# Altium PCB INC-IO1616001.PcbDoc (part 1 of 2) (continued)
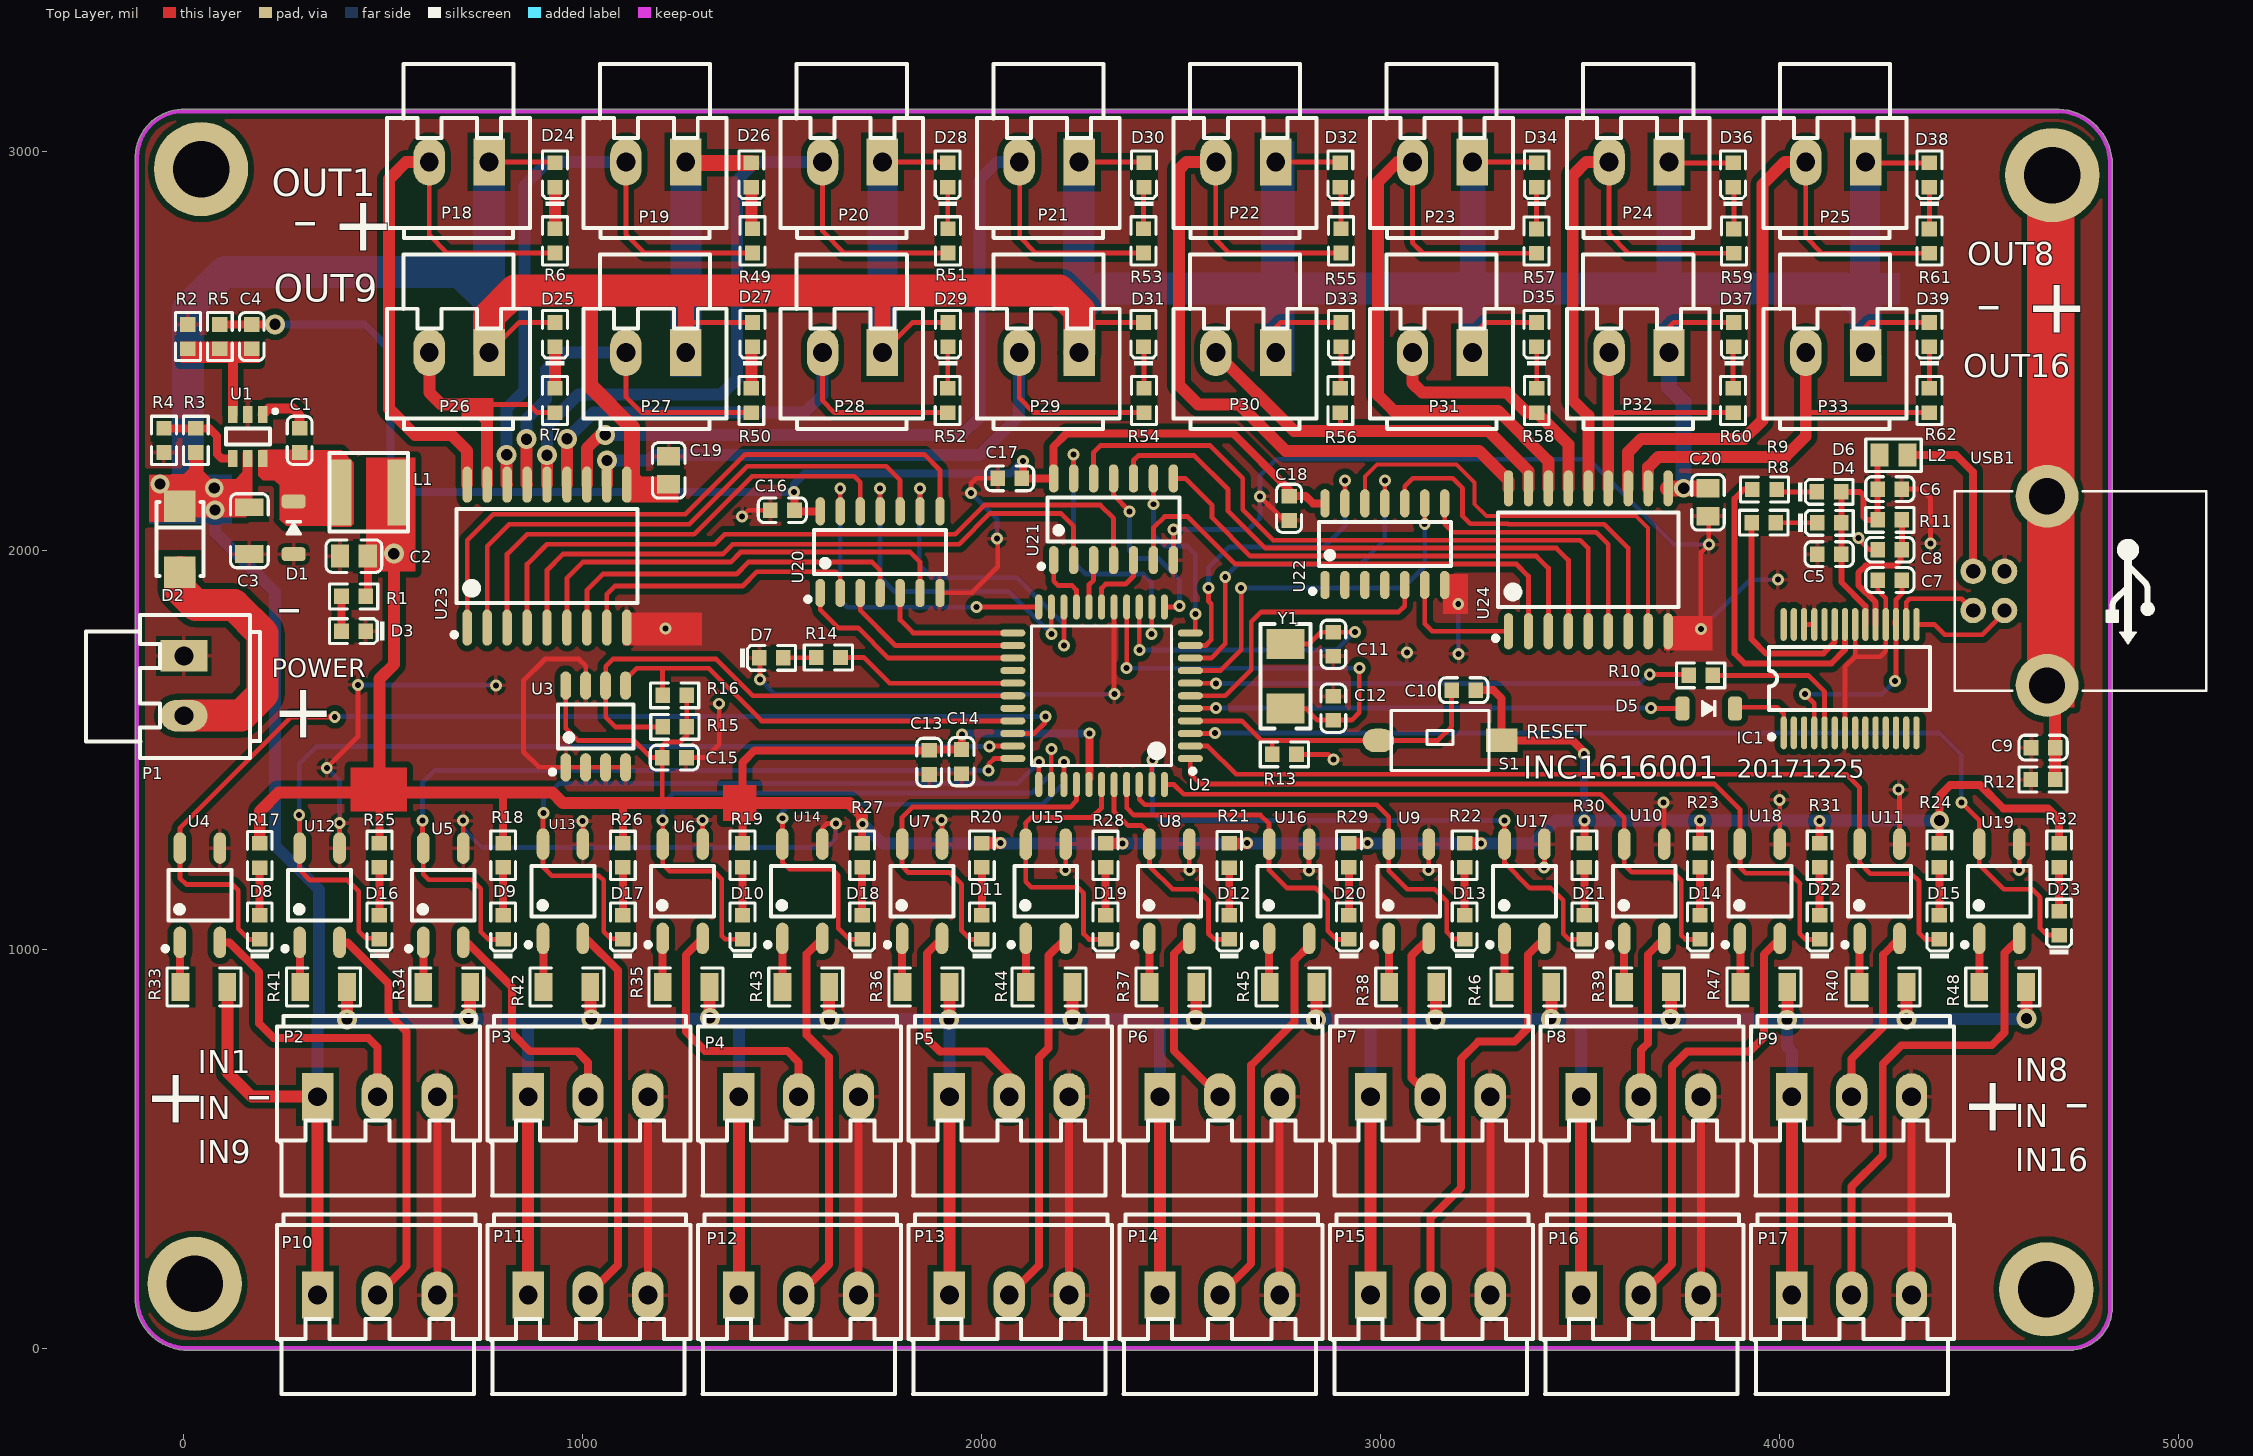
[diagram p0: Top Layer view]
## Components (designator, comment, footprint, x,y, rotation, side; value= is the part's Value field where it differs from the comment) (continued)
R52 "10KΩ (1002) ±1%" 0603_R 1914.29,2375 r90 top
R53 "10KΩ (1002) ±1%" 0603_R 2405,2775 r90 top
R54 "10KΩ (1002) ±1%" 0603_R 2406.43,2375 r90 top
R55 "10KΩ (1002) ±1%" 0603_R 2900,2775 r90 top
R56 "10KΩ (1002) ±1%" 0603_R 2898.57,2375 r90 top
R57 "10KΩ (1002) ±1%" 0603_R 3390,2774.68 r90 top
R58 "10KΩ (1002) ±1%" 0603_R 3390.71,2375 r90 top
R59 "10KΩ (1002) ±1%" 0603_R 3885,2774.68 r90 top
R60 "10KΩ (1002) ±1%" 0603_R 3882.86,2375 r90 top
R61 "10KΩ (1002) ±1%" 0603_R 4375,2774.68 r90 top
R62 "10KΩ (1002) ±1%" 0603_R 4375,2375 r90 top
S1 "SW-PB" "贴片按键 3*6*2.5" 3303,1523 r180 top
U1 "MP2451DT-LF-Z" SOT-23-6 160,2285 r90 top
U2 "STC12C5A60S2-35I" LQFP-44_10x10x08P 2300,1635 r90 top
U3 "EEPROM/AT24C128" SOIC-8_150mil 1032,1558 r0 top
U4 "EL357N(B)(TA)-G" SOP-4_P2.54 40,1135 r90 top
U5 "EL357N(B)(TA)-G" SOP-4_P2.54 650,1135 r90 top
U6 "EL357N(B)(TA)-G" SOP-4_P2.54 1250,1145 r90 top
U7 "EL357N(B)(TA)-G" SOP-4_P2.54 1850,1145 r90 top
U8 "EL357N(B)(TA)-G" SOP-4_P2.54 2470,1145 r90 top
U9 "EL357N(B)(TA)-G" SOP-4_P2.54 3070,1145 r90 top
U10 "EL357N(B)(TA)-G" SOP-4_P2.54 3660,1145 r90 top
U11 "EL357N(B)(TA)-G" SOP-4_P2.54 4250,1145 r90 top
U12 "EL357N(B)(TA)-G" SOP-4_P2.54 340,1135 r90 top
U13 "EL357N(B)(TA)-G" SOP-4_P2.54 950,1145 r90 top
U14 "EL357N(B)(TA)-G" SOP-4_P2.54 1550,1145 r90 top
U15 "EL357N(B)(TA)-G" SOP-4_P2.54 2160,1145 r90 top
U16 "EL357N(B)(TA)-G" SOP-4_P2.54 2770,1145 r90 top
U17 "EL357N(B)(TA)-G" SOP-4_P2.54 3360,1145 r90 top
U18 "EL357N(B)(TA)-G" SOP-4_P2.54 3950,1145 r90 top
U19 "EL357N(B)(TA)-G" SOP-4_P2.54 4550,1145 r90 top
U20 "74HC04" SOIC-14_150mil 1745,1995 r0 top
U21 "74HC04" SOIC-14_150mil 2330,2077.36 r0 top
U22 "74HC04" SOIC-14_150mil 3010,2015 r0 top
U23 "ULN2803ADW" SOIC-18_300mil 910,1985 r0 top
U24 "ULN2803ADW" SOIC-18_300mil 3520,1975.87 r0 top
USB1 "USB-B" USB-b 4484.57,1947.2 r270 top
Y1 "11.0592MHZ 20PF 20PPM" SMD-5032_2P 2761,1684 r90 top

## Footprints (in the part's own frame and the unit in brackets; to place one, negate y for a bottom-side part, rotate by r counter-clockwise, add the part's x,y. Pads: shape width x height; smd on the part's side, far side on the other; paste and mask are expansions set on the pad)
0603_C [mm]
  rect 0.93x0.98 smd: 1(-0.77,0) 2(0.77,0)
  silkscreen extent -1.53,-0.79 1.54,0.79, body extent -0.8,-0.4 0.8,0.4, height 0.3
0603_LED_S1 [mm]
  rect 0.93x0.98 smd: A(0.77,0) K(-0.77,0)
  silkscreen extent -1.97,-0.79 1.54,0.79, body extent -0.8,-0.4 0.8,0.4, height 0.6
0603_R [mm]
  rect 0.93x0.98 smd: 1(-0.77,0) 2(0.77,0)
  silkscreen extent -1.53,-0.79 1.54,0.79, body extent -0.85,-0.4 0.85,0.4, height 0.56
0805_C [mm]
  rect 1.16x1.47 smd: 1(-0.89,0) 2(0.89,0)
  silkscreen extent -1.77,-1.04 1.77,1.04, body extent -1,-0.62 1,0.63, height 0.77
0805_L [mm]
  rect 1.16x1.47 smd: 1(-0.89,0) 2(0.89,0)
  silkscreen extent -1.77,-1.04 1.77,1.03, body extent -1.02,-0.64 1.03,0.64, height 0.6
1206_C [mm]
  rect 1.13x1.8 smd: 1(-1.49,0) 2(1.49,0)
  silkscreen extent -2.36,-1.2 2.35,1.2, body extent -1.6,-0.81 1.6,0.79, height 1
1206_R [mm]
  rect 1.13x1.8 smd: 1(-1.49,0) 2(1.49,0)
  silkscreen extent -2.36,-1.2 2.35,1.2, body extent -1.7,-0.86 1.65,0.87, height 0.85
L5020 [mm]
  rect 1.4x4.2 smd: 1(-1.85,0) 2(1.85,0)
  silkscreen extent -2.54,-2.49 2.46,2.51
LQFP-44_10x10x08P [mm]
  oval 0.45x1.6 smd: 1(-4,-5.65) 2(-3.2,-5.65) 3(-2.4,-5.65) 4(-1.6,-5.65) 5(-0.8,-5.65) 6(0,-5.65) 7(0.8,-5.65) 8(1.6,-5.65) 9(2.4,-5.65) 10(3.2,-5.65) 11(4,-5.65) 23(4,5.65) 24(3.2,5.65) 25(2.4,5.65) 26(1.6,5.65) 27(0.8,5.65) 28(0,5.65) 29(-0.8,5.65) 30(-1.6,5.65) 31(-2.4,5.65) 32(-3.2,5.65) 33(-4,5.65)
  oval 1.6x0.45 smd: 12(5.65,-4) 13(5.65,-3.2) 14(5.65,-2.4) 15(5.65,-1.6) 16(5.65,-0.8) 17(5.65,0) 18(5.65,0.8) 19(5.65,1.6) 20(5.65,2.4) 21(5.65,3.2) 22(5.65,4) 34(-5.65,4) 35(-5.65,3.2) 36(-5.65,2.4) 37(-5.65,1.6) 38(-5.65,0.8) 39(-5.65,0) 40(-5.65,-0.8) 41(-5.65,-1.6) 42(-5.65,-2.4) 43(-5.65,-3.2) 44(-5.65,-4)
  silkscreen extent -4.95,-5.95 4.45,4.45
SMA(DO-214AC)_S1 [mm]
  rect 2x2 smd: 1(2.1,0) 2(-2.1,0)
  silkscreen extent -2.35,-1.5 2.35,1.5
SMD-5032_2P [mm]
  rect 1.9x2.4 smd: 1(-2.05,0) 2(2.05,0)
  silkscreen extent -3.32,-1.6 3.32,1.6
SOD-123 [mil]
  rrect50% 35x60 smd: 1(-66,0) 2(66,0)
  silkscreen extent -16,-18 16,18, body extent -77,-35 77,35, height 46
SOIC-8_150mil [mm]
  oval 0.7x1.8 smd: 1(-1.905,-2.6) 2(-0.635,-2.6) 3(0.635,-2.6) 4(1.905,-2.6) 5(1.905,2.6) 6(0.635,2.6) 7(-0.635,2.6) 8(-1.905,2.6)
  silkscreen extent -2.9,-3.05 2.4,1.4
SOIC-14_150mil [mm]
  oval 0.6x1.8 smd: 1(-3.81,-2.6) 2(-2.54,-2.6) 3(-1.27,-2.6) 4(0,-2.6) 5(1.27,-2.6) 6(2.54,-2.6) 7(3.81,-2.6) 8(3.81,2.6) 9(2.54,2.6) 10(1.27,2.6) 11(0,2.6) 12(-1.27,2.6) 13(-2.54,2.6) 14(-3.81,2.6)
  silkscreen extent -4.75,-3.15 4.2,1.4
SOIC-18_300mil [mm]
  oval 0.6x2.3 smd: 1(-5.08,-4.55) 2(-3.81,-4.55) 3(-2.54,-4.55) 4(-1.27,-4.55) 5(0,-4.55) 6(1.27,-4.55) 7(2.54,-4.55) 8(3.81,-4.55) 9(5.08,-4.55) 10(5.08,4.55) 11(3.81,4.55) 12(2.54,4.55) 13(1.27,4.55) 14(0,4.55) 15(-1.27,4.55) 16(-2.54,4.55) 17(-3.81,4.55) 18(-5.08,4.55)
  silkscreen extent -6.05,-5.15 5.75,3
SOP-4_P2.54 [mm]
  oval 2x0.8 smd: 1(-3,1.27) 2(-3,-1.27) 3(3,-1.27) 4(3,1.27)
  silkscreen extent -3.55,-2 1.6,2.35
SOT-23-6 [mm]
  rect 1.1x0.6 smd: 1(1.4,-0.95) 2(1.4,0) 3(1.4,0.95) 4(-1.4,0.95) 5(-1.4,0) 6(-1.4,-0.95)
  silkscreen extent -0.5,-1.87 1.72,1.4
SSOP-28_208mil [mm]
  oval 0.4x2.1 smd mask+0.051: 1(-4.225,-3.45) 2(-3.575,-3.45) 3(-2.925,-3.45) 4(-2.275,-3.45) 5(-1.625,-3.45) 6(-0.975,-3.45) 7(-0.325,-3.45) 8(0.325,-3.45) 9(0.975,-3.45) 10(1.625,-3.45) 11(2.275,-3.45) 12(2.925,-3.45) 13(3.575,-3.45) 14(4.225,-3.45) 15(4.225,3.45) 16(3.575,3.45) 17(2.925,3.45) 18(2.275,3.45) 19(1.625,3.45) 20(0.975,3.45) 21(0.325,3.45) 22(-0.325,3.45) 23(-0.975,3.45) 24(-1.625,3.45) 25(-2.275,3.45) 26(-2.925,3.45) 27(-3.575,3.45) 28(-4.225,3.45)
  silkscreen extent -5.15,-3.86 5.1,2
USB-b [mm]
  round 1.626 hole 0.914 mask+0.025: 1(0,0) 2(2.5,0) 3(2.5,2) 4(0,2)
  round 4 hole 2.3 mask+0: 5(7.27,4.71) 6(-4.77,4.71)
  silkscreen extent -5.1,-1.16 7.6,14.84, body extent -5.94,-0.71 8.44,14.99, height 11.5
WJ15EDGVC-3.81-2P [mm] "XCP 15EDG连接器 直 插件 P=3.81"
  rect 2x3 hole 1.2: 1(0,0)
  oval 2x3 hole 1.2: 2(3.81,0)
  silkscreen extent -2.59,-6.25 6.5,4.85, body extent -2.57,-6.22 6.44,4.88, height 18.95
WJ15EDGVC-3.81-3P [mm] "XCP 15EDG连接器 直 插件 P=3.81"
  rect 2x3 hole 1.2: 1(0,0)
  oval 2x3 hole 1.2: 2(3.81,0) 3(7.62,0)
  silkscreen extent -2.59,-6.3 10.34,5.13, body extent -2.56,-6.2 10.26,4.9, height 18.6
"贴片按键 3*6*2.5" [mm] "XCP"
  rect 2x1.5 smd: 1(0,0)
  oval 2x1.5 smd: 2(7.849,0)
  silkscreen extent 0.81,-1.91 7.04,1.91

## Part data
C1 C6 C7 C8 C9 C14 C15 C16 C17 C18: library part "0603 100nF (104) 10% 50V", "贴片电容", Package=0603, SuppliersPartNumber=C14663, ComponentLink1Description=供应商链接, ComponentLink1URL=http://www.szlcsc.com/product/details_15331.html, Supplier=LC
C2 C19 C20: library part "0805 10uF (106) 10% 25V", "贴片电容", Package=0805, SuppliersPartNumber=C15850, ComponentLink1Description=供应商链接, ComponentLink1URL=http://www.szlcsc.com/product/details_16532.html, Supplier=LC
C3: library part "1206 10uF (106) 10% 50V", "贴片电容", Package=1206, SuppliersPartNumber=C13585, ComponentLink1Description=供应商链接, ComponentLink1URL=http://www.szlcsc.com/product/details_14236.html, Supplier=LC
C4: library part "0603 33pF (330) 5% 50V", "贴片电容", Package=0603, SuppliersPartNumber=C1663, ComponentLink1Description=供应商链接, ComponentLink1URL=http://www.szlcsc.com/product/details_2015.html, Supplier=LC
C5 C10 C13: library part "0603 10uF (106) 10% 10V", "贴片电容", Package=0603, SuppliersPartNumber=C19702, ComponentLink1Description=供应商链接, ComponentLink1URL=http://www.szlcsc.com/product/details_20411.html, Supplier=LC
C11 C12: library part "0603 22pF (220) 5% 50V", "贴片电容", Package=0603, SuppliersPartNumber=C1653, ComponentLink1Description=供应商链接, ComponentLink1URL=http://www.szlcsc.com/product/details_2005.html, Supplier=LC
D1 D2 D5: library part "D Schottky", "Schottky Diode", Code_JEDEC=DO-214-AA, LatestRevisionDate=17-Jul-2002, LatestRevisionNote="Re-released for DXP Platform.", PackageReference=SMB, Published=8-Jun-2000, Publisher="Altium Limited"
D3 D6 D8 D9 D10 D11 D12 D13 D14 D15 D16 D17 D18 D19 D20 D21 D22 D23 D24 D25 D26 D27 D28 D29 D30 D31 D32 D33 D34 D35 D36 D37 D38 D39: library part "0603 红灯", "发光二极管", Package=0603, SuppliersPartNumber=C2286, ComponentLink1Description=供应商链接, ComponentLink1URL=http://www.szlcsc.com/product/details_2659.html, Supplier=LC
D4 D7: library part "0603 蓝灯", "发光二极管", Package=0603, SuppliersPartNumber=C72041, ComponentLink1Description=供应商链接, ComponentLink1URL=http://www.szlcsc.com/product/details_73150.html, Supplier=LC
L1: library part Inductor, "Inductor", Code_IEC=1005, Code_JEITA=0402, LatestRevisionDate=29-May-2009, LatestRevisionNote="IPC-7351 Footprint Added.", PackageDescription="Chip Inductor", PackageReference=0402-A, Published=8-Jun-2000, Publisher="Altium Limited"
L2: library part "0805 600Ω 25% 100MHz", "贴片磁珠", Package=0805, SuppliersPartNumber=C1017, ComponentLink1Description=供应商链接, ComponentLink1URL=http://www.szlcsc.com/product/details_1369.html, Supplier=LC
P1 P18 P19 P20 P21 P22 P23 P24 P25 P26 P27 P28 P29 P30 P31 P32 P33: "Header, 2-Pin", LatestRevisionDate=17-Jul-2002, LatestRevisionNote="Re-released for DXP Platform.", Publisher="Altium Limited"
P2 P3 P4 P5 P6 P7 P8 P9 P10 P11 P12 P13 P14 P15 P16 P17: "Header, 3-Pin", LatestRevisionDate=17-Jul-2002, LatestRevisionNote="Re-released for DXP Platform.", Publisher="Altium Limited"
R1 R8 R9 R14 R17 R18 R19 R20 R21 R22 R23 R24 R25 R26 R27 R28 R29 R30 R31 R32: library part "0603 1.5KΩ (1501) 1%", "贴片电阻", Package=0603, SuppliersPartNumber=C22843, ComponentLink1Description=供应商链接, ComponentLink1URL=http://www.szlcsc.com/product/details_23570.html, Supplier=LC
R2: library part "0603 30KΩ (3002) 1%", "贴片电阻", Package=0603, SuppliersPartNumber=C22984, ComponentLink1Description=供应商链接, ComponentLink1URL=http://www.szlcsc.com/product/details_23711.html, Supplier=LC
R3 R12: library part "0603 47KΩ (4702) 1%", "贴片电阻", Package=0603, SuppliersPartNumber=C25819, ComponentLink1Description=供应商链接, ComponentLink1URL=http://www.szlcsc.com/product/details_26562.html, Supplier=LC
R4 R6 R7 R11 R13 R49 R50 R51 R52 R53 R54 R55 R56 R57 R58 R59 R60 R61 R62: library part "0603 10KΩ (1002) 1%", "贴片电阻", Package=0603, SuppliersPartNumber=C25804, ComponentLink1Description=供应商链接, ComponentLink1URL=http://www.szlcsc.com/product/details_26547.html, Supplier=LC
R5: library part "0603 160KΩ (1603) 1%", "贴片电阻", Package=0603, SuppliersPartNumber=C22813, ComponentLink1Description=供应商链接, ComponentLink1URL=http://www.szlcsc.com/product/details_23540.html, Supplier=LC
R10: library part "0603 330Ω (3300) 1%", "贴片电阻", Package=0603, SuppliersPartNumber=C23138, ComponentLink1Description=供应商链接, ComponentLink1URL=http://www.szlcsc.com/product/details_23865.html, Supplier=LC
R15 R16: library part "0603 4.7KΩ (4701) 1%", "贴片电阻", Package=0603, SuppliersPartNumber=C23162, ComponentLink1Description=供应商链接, ComponentLink1URL=http://www.szlcsc.com/product/details_23889.html, Supplier=LC
R33 R34 R35 R36 R37 R38 R39 R40 R41 R42 R43 R44 R45 R46 R47 R48: library part "1206 4.7KΩ (4701) 1%", "贴片电阻", Package=1206, SuppliersPartNumber=C17936, ComponentLink1Description=供应商链接, ComponentLink1URL=http://www.szlcsc.com/product/details_18624.html, Supplier=LC
S1: "Switch", LatestRevisionDate=17-Jul-2002, LatestRevisionNote="Re-released for DXP Platform.", PackageDescription="Switch; 2 Leads", PackageReference=SPST-2, Published=24-Mar-1999, Publisher="Altium Limited"
U1: "DC-DCоƬ", Package=SOT-23-6, SuppliersPartNumber=C14123, ComponentLink1Description=供应商链接, ComponentLink1URL=http://www.szlcsc.com/product/details_14780.html, Supplier=LC
U2: "MCU", Package=LQFP-44_10x10x08P, SuppliersPartNumber=C8696, ComponentLink1Description=供应商链接, ComponentLink1URL=http://www.szlcsc.com/product/details_9202.html, Supplier=LC
U3: library part EEPROM/AT24C256C-SSHL-T, "EEPROM", Package=SOIC-8_150mil, SuppliersPartNumber=C6482, ComponentLink1Description=供应商链接, ComponentLink1URL=http://www.szlcsc.com/product/details_6947.html, Supplier=LC
U4 U5 U6 U7 U8 U9 U10 U11 U12 U13 U14 U15 U16 U17 U18 U19: "贴片光耦", Package=SOP-4_P2.54, SuppliersPartNumber=C6649, ComponentLink1Description=供应商链接, ComponentLink1URL=http://www.szlcsc.com/product/details_7114.html, Supplier=LC
U23 U24: "大电流驱动", Package=SOIC-18_300mil, SuppliersPartNumber=C9683, ComponentLink1Description=供应商链接, ComponentLink1URL=http://www.szlcsc.com/product/details_10213.html, Supplier=LC
USB1: library part USB-6
Y1: library part "SMD-5032_2P 11.0592MHZ 20PF 20PPM", "贴片晶振", Package=SMD-5032_2P, SuppliersPartNumber=C52026, ComponentLink1Description=供应商链接, ComponentLink1URL=http://www.szlcsc.com/product/details_53039.html, Supplier=LC

## Free pads (board coordinates)
  round 236.22 hole 141.73: 0(27,161) 0(43,2955) 0(4668,147) 0(4683,2940)

## Via types
v1: diameter 30, hole 15, Top Layer to Bottom Layer, 94 vias
v2: diameter 50, hole 28, Top Layer to Bottom Layer, 23 vias
v3: diameter 47.24, hole 28, Top Layer to Bottom Layer, 5 vias

## Nets (pads, with @x,y where several pads share a name; then routed paths per layer and width w, separated by ;. In a path a pad name is that pad's centre, name@x,y a point inside that pad or via, vN(x,y) a via of type N, cw(c..) or ccw(c..) an arc to the next point about the centre after c; other vN are vias at no path point)
+5V: C2.2 C4.2 C10.2 C13.2 C14.2 C15.2 C16.2 C17.2 C18.2 L1.2 R1.2 R5.1 R15.2 R16.2 R17.1 R18.1 R19.1 R20.1 R21.1 R22.1 R23.1 R24.1 R25.1 R26.1 R27.1 R28.1 R29.1 R30.1 R31.1 R32.1 S1.1 U2.38 U3.8 U20.14 U21.14 U22.14 | length 12696.7
  Top Layer w12: U3.8@957,1660.36 957,1553 987,1523 1128,1523 1171,1480 C15.2@1199,1480 ; 1199,1367 C15.2@1199,1480 ; R16.2@1260.32,1636 1260.32,1557.31 R15.2@1260.63,1557 1260.63,1535.63 1244,1519 1208,1519 1198,1509 1198,1481 C15.2@1199,1480
  Top Layer w20: R5.1@90,2565.63 C4.2@170,2565.63 227.63,2565.63 v2(228,2566) ; R1.2@455.63,1884 461,1889.37 C2.2@461,1985 ; C2.2@473,1991 v2(526,1991) ; R25.1@490,1265.31 490,1393 ; 799,1393 800,1392 R18.1@800,1265.63 ; R26.1@1100,1265.31 1100,1362 ; R19.1@1400,1265.63 1400,1366 ; 1401,1366 1400,1366 ; v1(1529,2146) 1530.32,2144.68 C16.2@1530.32,2100 1532.95,2097.36 U20.14@1595,2097.36 ; R27.1@1700,1265.63 v1@1700,1313 ; v1(1950,1538) 1950,1501.32 C14.2@1949,1500.32 1870,1500.32 C13.2@1868,1498.32 1430.32,1498.32 1400,1468 1400,1366 ; v1(2103,2224) 2103,2183 C17.2@2100,2180 2100.28,2179.72 U21.14@2180,2179.72 2179,2180.72 2179,2259 2212,2292 2630,2292 2770,2152 C18.2@2770,2135 2771,2136 2811,2136 2829.64,2117.36 U22.14@2860,2117.36 ; U2.38@2270,1427.06 v1(2270,1541) ; C10.2@3238,1649 3282,1649 3303,1628 S1.1@3303,1523 3480,1523 3509,1494 v1(3509,1489) ; R30.1@3510,1265.63 v1(3510,1322) ; R23.1@3800,1265.63 v1(3800,1322) ; R31.1@4100,1265.31 v1(4100,1321) ; R24.1@4400,1265.31 v3(4400,1322) 4400,1384 4427,1411 4502,1411 4560,1353 4672,1353 4700,1325 R32.1@4700,1265.63
  Top Layer w30: R17.1@190,1265 190,1345 238,1393 490,1393 ; v2(526,1991) 527,1990 527,1714 490,1677 490,1393 ; 1400,1366 950,1366 923,1393 799,1393 490,1393 ; 1401,1366 1668,1366 1700,1334 v1@1700,1313 ; R20.1@2000,1265.63 2046.63,1265.63 v1(2047,1266) ; R28.1@2310,1265.31 2352.69,1265.31 v1(2353,1265) ; R21.1@2620,1265 2664,1265 v1(2665,1266) ; R29.1@2920,1265.31 2966.31,1265.31 v1(2967,1266) ; R22.1@3210,1265.63 3250.37,1265.63 v1(3251,1265)
  Bottom Layer w20: v2(228,2566) 453,2566 518,2501 518,2148 ; v2(526,1991) 518,1983 518,2148 ; v1(1950,1538) 1953,1541 v1(2270,1541) ; v1(2103,2224) 2071,2192 1556,2192 1529,2165 v1(1529,2146) 520,2146 518,2148 ; v1(3509,1489) 3509,1323 v1(3510,1322)
  Bottom Layer w30: v1@1701.5,1313.5 1750,1265 v1(2353,1265) v1(3251,1265) 3380,1265 3437,1322 v1(3510,1322) v1(3800,1322) v3(4400,1322)
  other v1: 1701,1313
+24V: C3.2 C19.2 C20.2 D2.2 D24.A D25.A D26.A D27.A D28.A D29.A D30.A D31.A D32.A D33.A D34.A D35.A D36.A D37.A D38.A D39.A P2.1 P3.1 P4.1 P5.1 P6.1 P7.1 P8.1 P9.1 P10.1 P11.1 P12.1 P13.1 P14.1 P15.1 P16.1 P17.1 P18.1 P19.1 P20.1 P21.1 P22.1 P23.1 P24.1 P25.1 P26.1 P27.1 P28.1 P29.1 P30.1 P31.1 P32.1 P33.1 R3.1 R33.1 R34.1 R35.1 R36.1 R37.1 R38.1 R39.1 R40.1 R41.1 R42.1 R43.1 R44.1 R45.1 R46.1 R47.1 R48.1 U1.5 U23.10 U24.10 | length 26543.6
  Top Layer w12: P26.1@765,2495 840.63,2570.63 D25.A@930,2570.63 ; P18.1@765,2973 927.63,2973 D24.A@930,2970.63 ; 1257.86,2557.86 1270.63,2570.63 D27.A@1425,2570.63 ; P28.1@1750.71,2495 1826.34,2570.63 D29.A@1915,2570.63 ; P20.1@1750.71,2973 1911.92,2973 D28.A@1914.29,2970.63 ; P21.1@2243.57,2973 2404.06,2973 D30.A@2406.43,2970.63 ; P29.1@2245,2553 2262.63,2570.63 D31.A@2405,2570.63 ; P30.1@2736.43,2495 2736.43,2558.43 2748.63,2570.63 D33.A@2900,2570.63 ; P22.1@2736.43,2973 2896.2,2973 D32.A@2898.57,2970.63 ; P31.1@3229.29,2495 3229.29,2537.29 3262.63,2570.63 D35.A@3390,2570.63 ; P23.1@3229.28,2973 3388.34,2973 D34.A@3390.71,2970.63 ; P32.1@3722.14,2495 3722.14,2558.14 3734.63,2570.63 D37.A@3885,2570.63 ; P24.1@3722.14,2973 3724.51,2970.63 D36.A@3882.86,2970.63 ; P33.1@4215,2495 4215,2560 4225.63,2570.63 D39.A@4375,2570.63 ; P25.1@4215,2973 4217.37,2970.63 D38.A@4375,2970.63
  Top Layer w20: 126.69,2110.35 126.69,2113.66 ; C3.2@130,2113.66 130,2162 160,2192 U1.5@160,2229.88
  Top Layer w30: D2.2@-10,2110.35 126.69,2110.35 ; R33.1@108.66,905 108.66,691.34 170,630 P2.1@335,630 P10.1@335,133 ; R41.1@408.66,905 408.66,824.34 v2(409,824) ; v2(713,826) 717.32,830.32 R34.1@717.32,905 ; P11.1@862.86,133 P3.1@862.86,630 ; R42.1@1018.66,905 1018.66,826.34 v2(1021,824) ; R35.1@1317.32,905 1317.32,827.68 v2(1318,827) ; P12.1@1390.71,133 P4.1@1390.71,630 ; R43.1@1617.32,905 1617.32,823.68 v2(1618,823) ; v2(1918,823) 1918.66,823.66 R36.1@1918.66,905 ; P13.1@1918.57,133 P5.1@1918.57,630 ; v2(2227,823) 2227.32,823.32 R44.1@2227.32,905 ; P14.1@2446.43,133 P6.1@2446.43,630 ; v2(2536,822) 2537.32,823.32 R37.1@2537.32,905 ; v2(2838,823) 2838.66,823.66 R45.1@2838.66,905 ; P15.1@2974.29,133 P7.1@2974.29,630 ; v2(3137,823) 3138.66,824.66 R38.1@3138.66,905 ; v2(3426,825) 3427.32,826.32 R46.1@3427.32,905 ; P16.1@3502.14,133 P8.1@3502.14,630 ; v2(3726,825) 3727.32,826.32 R39.1@3727.32,905 ; v2(4018,822) 4018.66,822.66 R47.1@4018.66,905 ; P17.1@4030,133 P9.1@4030,630 ; v2(4317,824) 4317.32,824.32 R40.1@4317.32,905 ; R48.1@4617.32,905 4618,904.32 v2(4618,826)
  Top Layer w40: 1018,2651 1018,2412 1123,2307 1123,2181 1145,2159 ; 1254,2651 1257.86,2647.14 1257.86,2557.86 P27.1@1257.86,2495 ; P19.1@1257.86,2973 1260.23,2970.63 D26.A@1422.14,2970.63 ; 1747,2651 1750.71,2647.29 P28.1@1750.71,2495 ; U24.10@3720,2155 v3(3759,2155) C20.2@3820,2155
  Top Layer w80: P26.1@765,2495 765,2586 830,2651 1018,2651 1254,2651 1747,2651 2194,2651 2245,2600 2245,2553 2245,2496.43 P29.1@2243.57,2495
  Bottom Layer w30: v3(76,2156) 76,2144 98.5,2121.5 ; v3(78,2101) 78,2045 228,1895 228,1260 338,1150 338,824 ; P2.1@335,630 335,827 338,824 ; v2(409,824) 338,824 ; v2@409,825 861,825 ; P3.1@862.86,630 862.86,823.14 861,825 ; P27.1@1257.86,2495 P19.1@1257.86,2973 ; P4.1@1390.71,630 1390.71,817.71 1398,825 ; P28.1@1750.71,2495 P20.1@1750.71,2973 ; v2(1918,823) 1918.57,822.43 P5.1@1918.57,630 ; P29.1@2243.57,2495 P21.1@2243.57,2973 ; P6.1@2446.43,630 2446.43,823.43 2448,825 ; P30.1@2736.43,2495 2736.43,2656 P22.1@2736.43,2973 ; P7.1@2974.29,630 2974.29,821.29 2978,825 ; P31.1@3229.29,2495 3229.28,2656 P23.1@3229.28,2973 ; P8.1@3502.14,630 3502.14,824.86 3502,825 ; P32.1@3722.14,2495 3722.14,2656 P24.1@3722.14,2973 ; v2(4018,822) 4018,756 4030,744 P9.1@4030,630 ; P33.1@4215,2495 4215,2605 P25.1@4215,2973 ; v2(4618,826) 4617,825 v2(3726,825) 3502,825 ; 861,825 1398,825 ; 1398,825 2448,825 ; 2448,825 2978,825 ; 2978,825 v2(3426,825) 3502,825
  Bottom Layer w40: P32.1@3722.14,2495 3722.14,2407.86 3759,2371 v3(3759,2155)
  Bottom Layer w80: 10,2144 10,2606 101,2697 693,2697 765,2625 ; P26.1@765,2495 765,2625 ; P18.1@765,2973 765,2625 ; P29.1@2243.57,2495 2243.57,2603.57 2296,2656 2736.43,2656 3229.28,2656 3722.14,2656 4164,2656 4215,2605 P33.1@4215,2495
  other v3: -60,2166
EARTH: C9.1 pad.0@4683,2940 R12.1 USB1.5 USB1.6 | length 1528.7
  Top Layer w30: pad.0@4683,2940 4670,2927 USB1.6@4670,2135 USB1.5@4670,1660.98 4690,1640.98 R12.1@4690,1425
GND: C2.1 C3.1 C5.1 C6.1 C7.1 C8.1 C9.2 C11.2 C12.2 C13.1 C14.1 C15.1 C16.1 C17.1 C18.1 C19.1 C20.1 D1.1 D3.K D7.K IC1.7 IC1.18 IC1.21 IC1.25 IC1.26 P1.1 P2.3 P3.3 P4.3 P5.3 P6.3 P7.3 P8.3 P9.3 P10.3 P11.3 P12.3 P13.3 P14.3 P15.3 P16.3 P17.3 R2.2 R4.2 R12.2 R13.2 U1.2 U2.16 U3.1 U3.2 U3.3 U3.4 U3.7 U4.3 U5.3 U6.3 U7.3 U8.3 U9.3 U10.3 U11.3 U12.3 U13.3 U14.3 U15.3 U16.3 U17.3 U18.3 U19.3 U20.7 U21.7 U22.7 U23.9 U24.9 USB1.4 | length 12818.5
  Top Layer w12: v1(358,1454) 436,1532 v1(436,1662) ; U12.3@390,1253.11 v1(390,1316) ; U5.3@700,1253.11 v1(700,1322) ; v1(999,1321) 1000,1320 U13.3@1000,1263.11 ; U3.7@1007,1660.36 1007,1710 990,1727 905,1727 851,1673 851,1495 890.36,1455.64 U3.1@957,1455.64 U3.2@1007,1455.64 U3.3@1057,1455.64 U3.4@1107,1455.64 ; C15.1@1259.63,1480 1308,1480 1342,1514 1342,1608 1340,1610 1340,1614 v1(1341,1615) ; U6.3@1300,1263.11 v1(1300,1323) ; v1(1399,2084) 1415,2100 C16.1@1469.68,2100 ; D7.K@1441.69,1730 1444,1727.69 v1(1444,1676) ; U14.3@1600,1263.11 1600,1303 1612,1315 v1(1634,1315) ; U20.7@1895,1892.64 1895.36,1893 1975,1893 2040,1958 2040,2027 v1(2038,2029) ; v1(1899,1324) 1899,1322 1900,1321 U7.3@1900,1263.11 ; v1(1973,2143) 1973,2167 1986,2180 C17.1@2039.37,2180 ; v1(2209,1198) 2210,1199 U15.3@2210,1263.11 ; U2.16@2331.5,1857.44 2331.5,1639.5 v1(2332,1639) ; U21.7@2480,1975 v1(2480,2052) ; v1(2520,1198) U8.3@2520,1263.11 ; v1(2697,2135) 2757.63,2074.37 C18.1@2770,2074.37 ; R13.2@2788.63,1488 2868,1488 v1(2881,1475) ; v1(2820,1197) U16.3@2820,1263.11 ; v1(3120,1198) U9.3@3120,1263.11 ; v1(3409,1204) 3410,1205 U17.3@3410,1263.11 ; v1(3708,1367) 3710,1365 U10.3@3710,1263.11 ; v1(3802,1802) 3802,1994 v1(3822,2014) 3822,2082.92 C20.1@3820,2084.92 ; v1(3999,1374) 4000,1373 U18.3@4000,1263.11 ; IC1.26@4060.84,1813.83 IC1.25@4086.43,1813.83 ; IC1.7@4163.2,1542.17 4163.2,1707.2 4188.8,1732.8 ; IC1.21@4188.8,1813.83 4188.8,1732.8 ; v1(4197,2030) 4197,2028 4224,2001 C8.1@4245.37,2001 ; C7.1@4245.37,1925 4245.37,1899.2 4265.57,1879 IC1.18@4265.57,1813.83 4265.57,1746.57 4251.8,1732.8 4188.8,1732.8 ; v1(4298,1400) 4300,1398 U11.3@4300,1263.11 ; C6.1@4306,2153 4355,2153 4378,2130 v1(4378,2017) ; v1(4600,1198) U19.3@4600,1263.11
  Top Layer w20: P10.3@635,133 P2.3@635,630 ; P11.3@1162.86,133 P3.3@1162.86,630 ; P12.3@1690.71,133 P4.3@1690.71,630 ; P13.3@2218.57,133 P5.3@2218.57,630 ; P14.3@2746.43,133 P6.3@2746.43,630 ; P15.3@3274.29,133 P7.3@3274.29,630 ; P16.3@3802.14,133 P8.3@3802.14,630 ; P17.3@4330,133 P9.3@4330,630
  Bottom Layer w12: v1(358,1454) 390,1422 v1(390,1316) ; v1(436,1662) v1@783,1662 ; v1(700,1322) 700,1302 747,1255 1612,1255 1634,1277 v1(1634,1315) ; v1(1444,1676) 1481,1639 v1(2332,1639) ; v1(1973,2143) 2038,2078 v1(2038,2029) ; v1(2480,2052) 2669,2052 2697,2080 v1(2697,2135) 2697,2187 2738,2228 3521,2228 3734,2015 3821,2015 v1(3822,2014) ; v1(3194,1865) 3194,1741 v1(3195,1740) ; v1(3802,1802) 3926,1926 v1(3995,1926)
  other v1: 782,1661 3065,1743 1207,1804
IN1: D8.K U2.31 U4.4 | length 2837.7
  Top Layer w12: D8.K@190,1024.37 162.63,1024.37 136,1051 136,1147 121,1162 6,1162 -10,1178 U4.4@-10,1253.11 -10,1303 269,1582 v1(378,1582) ; U2.31@2077.56,1540.51 2131.51,1540.51 2159,1568 v1(2159,1583)
  Bottom Layer w12: v1(378,1582) 379,1583 v1(2159,1583)
IN2: D9.K U2.33 U5.4 | length 2075.5
  Top Layer w12: v1(598,1322) 598,1255.11 U5.4@600,1253.11 600,1188 614,1174 721,1174 744,1151 744,1043 762.63,1024.37 D9.K@800,1024.37 ; v1(2017,1448) 2017,1464 2030.52,1477.52 U2.33@2077.56,1477.52
  Bottom Layer w12: v1(598,1322) 598,1418 628,1448 v1(2017,1448)
IN3: D10.K U2.35 U6.4 | length 1669.7
  Top Layer w12: v1(1200,1323) U6.4@1200,1263.11 1200,1213 1217,1196 1327,1196 1348,1175 1348,1033 1356.31,1024.69 D10.K@1400,1024.69 ; U2.35@2174.02,1412.56 v1(2174,1502)
  Bottom Layer w12: v1(1200,1323) 1200,1365 1226,1391 2125,1391 2174,1440 v1(2174,1502)
IN4: D11.K U2.37 U7.4 | length 961
  Top Layer w12: D11.K@2000,1024.37 1970.63,1024.37 1949,1046 1949,1162 1919,1192 1816,1192 1800,1208 U7.4@1800,1263.11 1800,1330 1826,1356 2221,1356 2237.01,1372.01 U2.37@2237.01,1412.56
IN5: D12.K U2.40 U8.4 | length 585.2
  Top Layer w12: U2.40@2331.5,1412.56 2331.5,1344.5 2366,1310 2400,1310 2420,1290 U8.4@2420,1263.11 2420,1208 2478,1150 2539,1150 2568,1121 2568,1039 2582.63,1024.37 D12.K@2620,1024.37